# Altium PCB MotionBoard.PcbDoc (part 1 of 3)
Units mm, origin at the board's own origin, x right, y up, seen from the top; angles counter-clockwise.
Board outline 120 x 80 mm, 8 copper layers (Top Layer 1, GND, Inner 1, Inner 2, Inner 3, Inner 4, PWR, Bottom Layer 1), stack 1.028 mm thick; 748 components, 487 nets, 2634 pads, 32 vias.
Unrouted connection lines stored in the file: 1934.
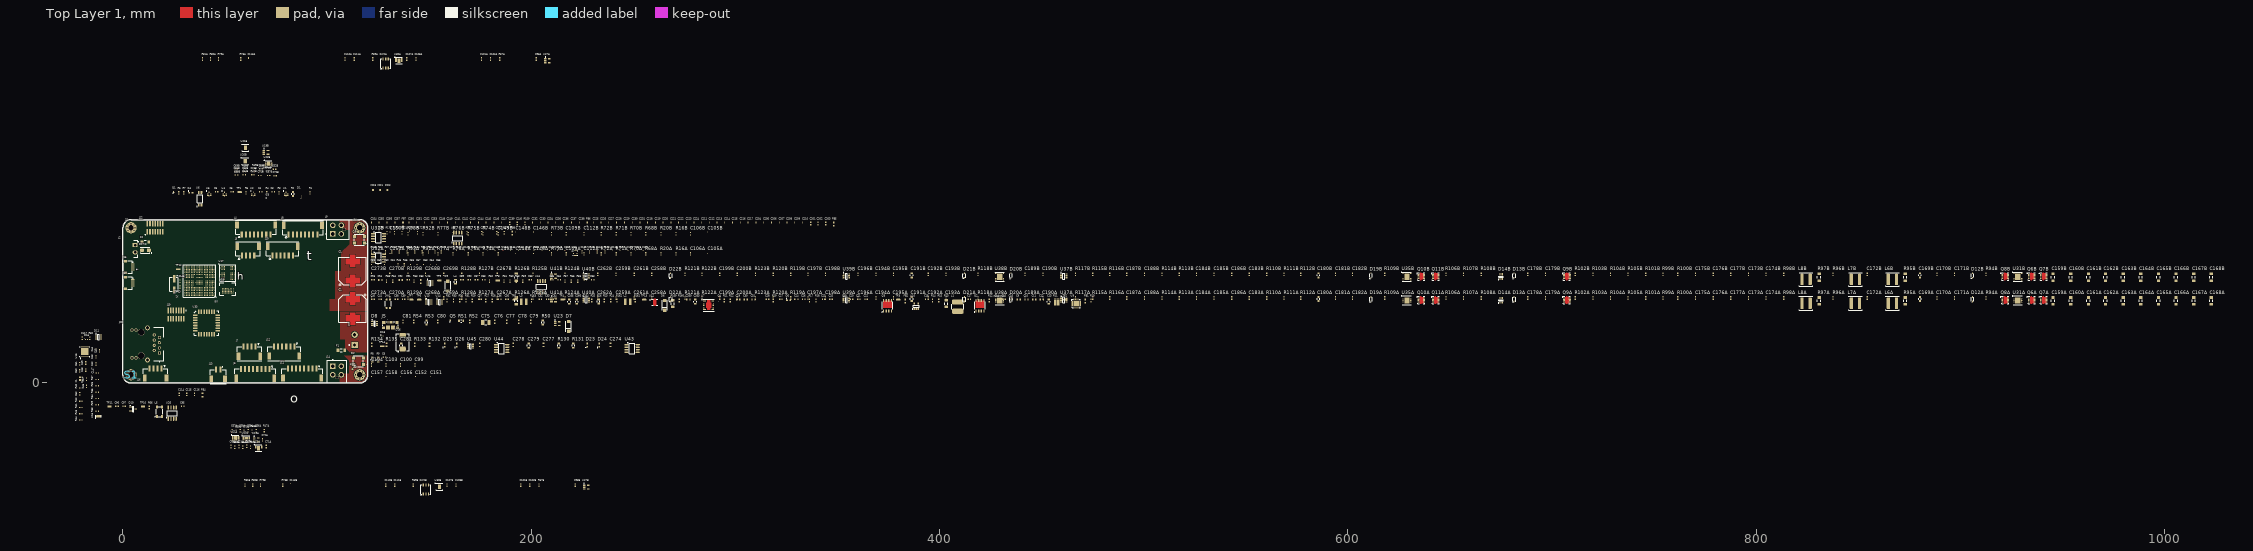
[diagram p0: Top Layer 1 view]
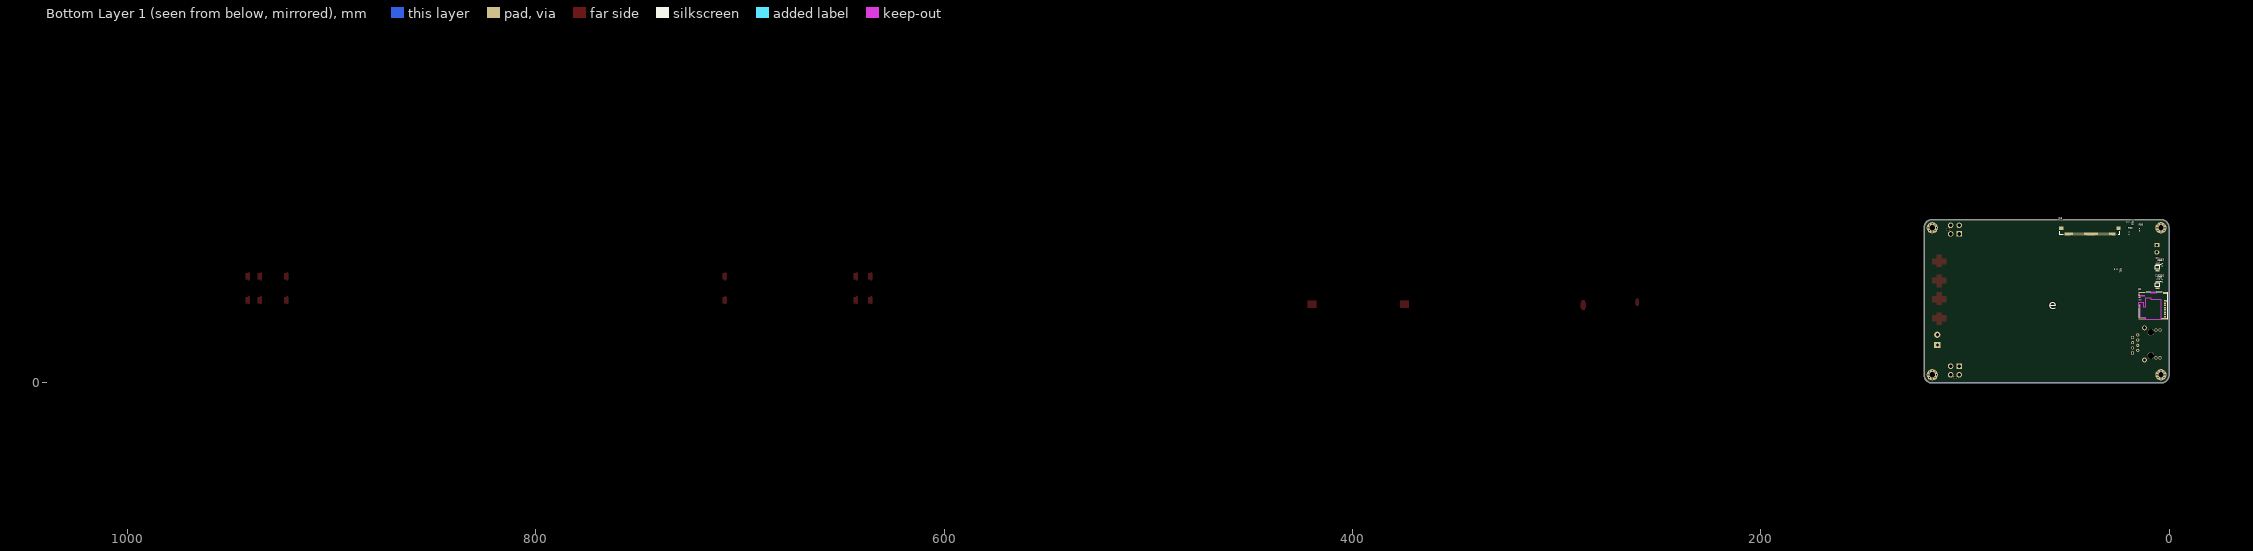
[diagram p1: Bottom Layer 1 view, seen from below]
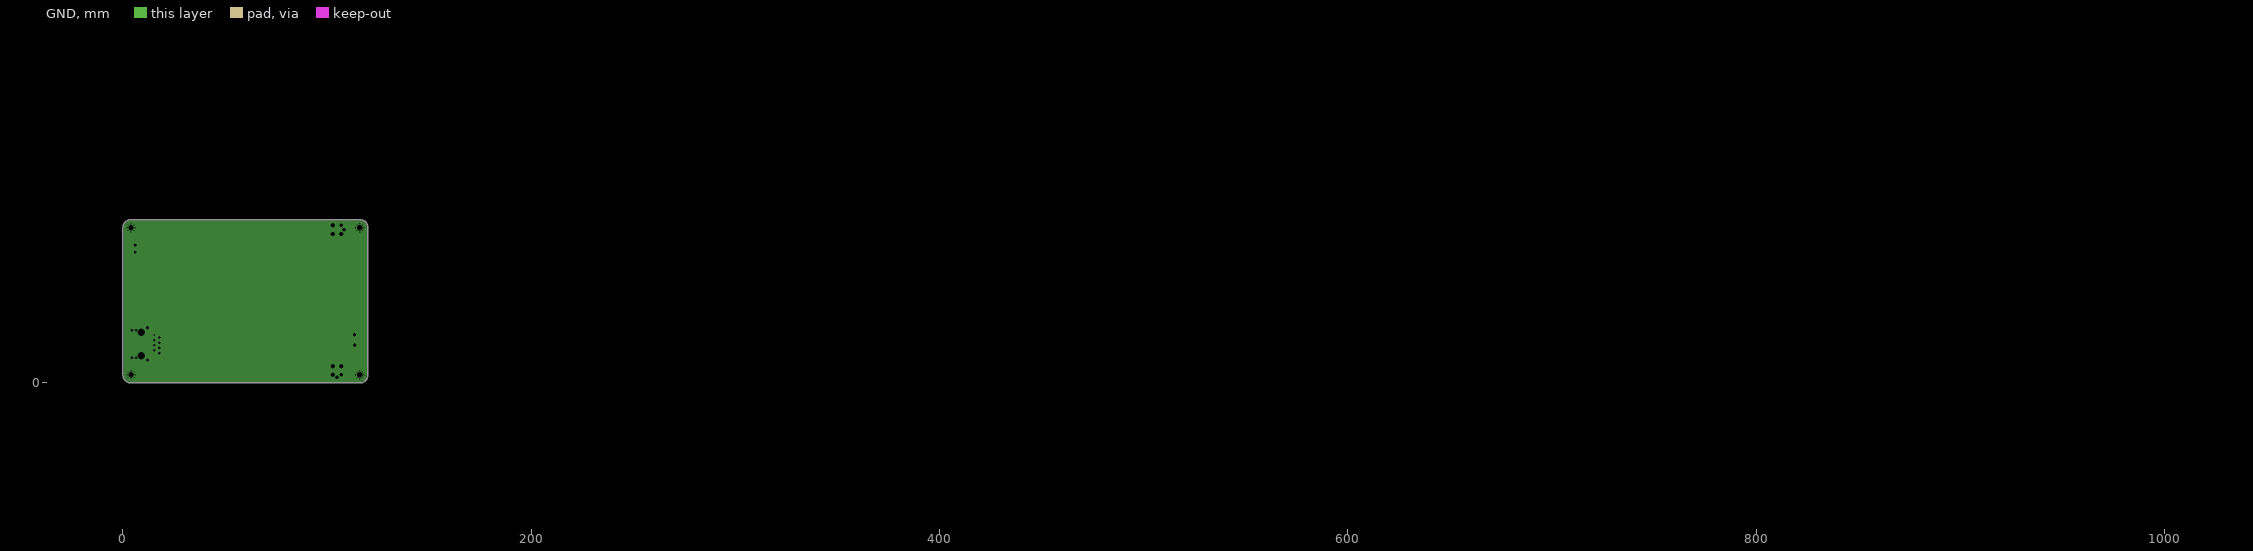
[diagram p2: GND, clearances drawn from the general rule]
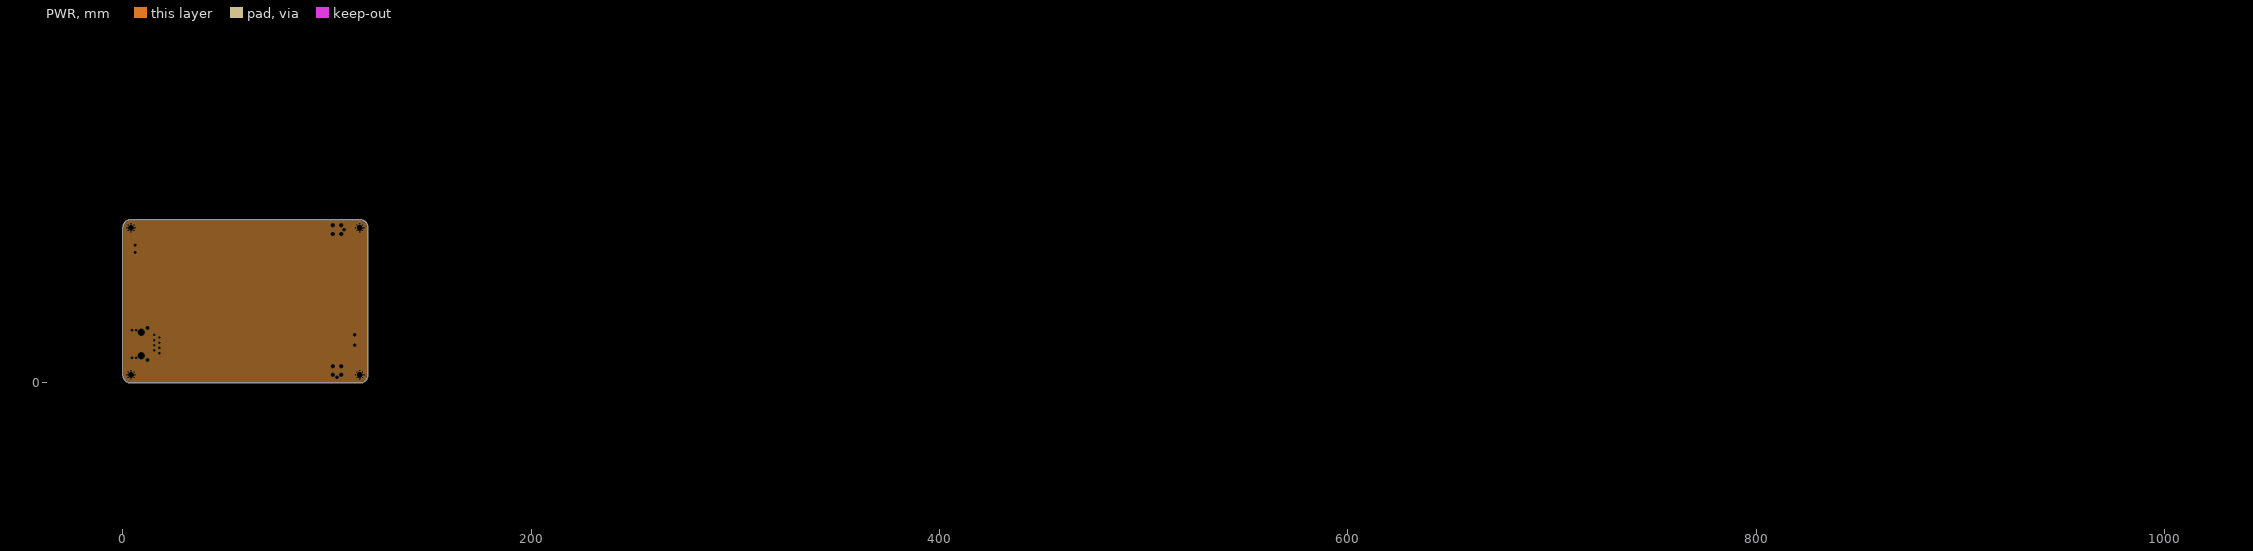
[diagram p3: PWR, clearances drawn from the general rule]

## Layer stack, top to bottom
Top Solder: solder mask 0.0102, Solder Resist, Dk 3.5
Top Layer 1: signal copper 0.035
Dielectric 2: prepreg 0.0711, PP-006, Dk 4.1
GND: plane copper 0.035, net GND
Dielectric 4: prepreg 0.0711, PP-006, Dk 4.1
Inner 1: signal copper 0.035
Dielectric 6: prepreg 0.0711, PP-006, Dk 4.1
Inner 2: signal copper 0.0356
Dielectric 1: dielectric 0.32, FR-4, Dk 4.8
Inner 3: signal copper 0.0356
Dielectric 7: prepreg 0.0711, PP-006, Dk 4.1
Inner 4: signal copper 0.035
Dielectric 5: prepreg 0.0711, PP-006, Dk 4.1
PWR: plane copper 0.035, net +3.3V
Dielectric 3: prepreg 0.0711, PP-006, Dk 4.1
Bottom Layer 1: signal copper 0.035
Bottom Solder: solder mask 0.0102, Solder Resist, Dk 3.5

## Board outline
0,4 0,76 cw(c4,76) 4,80 116,80 cw(c116,76) 120,76 120,4 cw(c116,4) 116,0 4,0 cw(c4,4)

## Design rules (kind name [scope] priority, off if disabled: settings)
BoardOutlineClearance [All] p1: gap=0.2 ignorepadtopadclearanceinfootprint=FALSE except(0: Arc-SplitContinuation Track-SplitContinuation SMDPad-OutlineEdge SMDPad-CavityEdge SMDPad-CutoutEdge SMDPad-SplitBarrior SMDPad-SplitContinuation THPad-OutlineEdge THPad-CavityEdge THPad-CutoutEdge THPad-SplitBarrior THPad-SplitContinuation Via-SplitContinuation Fill-SplitContinuation Poly-SplitContinuation Region-SplitContinuation Text-OutlineEdge Text-CavityEdge Text-CutoutEdge Text-SplitBarrior Text-SplitContinuation)
Clearance [All] p1: gap=0.125 ignorepadtopadclearanceinfootprint=FALSE
DiffPairsRouting "Schematic Differential Pairs Routing_2" [InNet('USBD_N')] p1: maxlimit=0.163 minlimit=0.15 mostfreqgap=0.163 toplayer_maxgap=0.15 toplayer_prefgap=0.15 toplayer_minwidth=0.23 toplayer_maxwidth=0.23 toplayer_prefwidth=0.23 midlayer1_mingap=0.163 midlayer1_minwidth=0.15 midlayer1_maxwidth=0.15 midlayer1_prefwidth=0.15 midlayer2_mingap=0.163 midlayer2_minwidth=0.15 midlayer2_maxwidth=0.15 midlayer2_prefwidth=0.15 midlayer3_minwidth=0.381 midlayer3_maxwidth=0.381 midlayer3_prefwidth=0.381 midlayer4_minwidth=0.381 midlayer4_maxwidth=0.381 midlayer4_prefwidth=0.381 bottomlayer_maxgap=0.15 bottomlayer_prefgap=0.15 bottomlayer_minwidth=0.23 bottomlayer_maxwidth=0.23 bottomlayer_prefwidth=0.23 impedanceprofiledriven=TRUE impedanceprofileid={8BB9BB9D-3C6D-4E4D-91F2-CF04DFBE2990} maxuncoupledlength=12.7
DiffPairsRouting "Schematic Differential Pairs Routing_1" [InNet('USBD_P')] p2: maxlimit=0.163 minlimit=0.15 mostfreqgap=0.163 toplayer_maxgap=0.15 toplayer_prefgap=0.15 toplayer_minwidth=0.23 toplayer_maxwidth=0.23 toplayer_prefwidth=0.23 midlayer1_mingap=0.163 midlayer1_minwidth=0.15 midlayer1_maxwidth=0.15 midlayer1_prefwidth=0.15 midlayer2_mingap=0.163 midlayer2_minwidth=0.15 midlayer2_maxwidth=0.15 midlayer2_prefwidth=0.15 midlayer3_minwidth=0.381 midlayer3_maxwidth=0.381 midlayer3_prefwidth=0.381 midlayer4_minwidth=0.381 midlayer4_maxwidth=0.381 midlayer4_prefwidth=0.381 bottomlayer_maxgap=0.15 bottomlayer_prefgap=0.15 bottomlayer_minwidth=0.23 bottomlayer_maxwidth=0.23 bottomlayer_prefwidth=0.23 impedanceprofiledriven=TRUE impedanceprofileid={8BB9BB9D-3C6D-4E4D-91F2-CF04DFBE2990} maxuncoupledlength=12.7
DiffPairsRouting "Schematic Differential Pairs Routing" [InNetClass('ETH')] p3: maxlimit=0.272 minlimit=0.15 mostfreqgap=0.272 toplayer_maxgap=0.15 toplayer_prefgap=0.15 toplayer_minwidth=0.184 toplayer_maxwidth=0.184 toplayer_prefwidth=0.184 midlayer1_mingap=0.272 midlayer1_minwidth=0.15 midlayer1_maxwidth=0.15 midlayer1_prefwidth=0.15 midlayer2_mingap=0.272 midlayer2_minwidth=0.15 midlayer2_maxwidth=0.15 midlayer2_prefwidth=0.15 midlayer3_minwidth=0.381 midlayer3_maxwidth=0.381 midlayer3_prefwidth=0.381 midlayer4_minwidth=0.381 midlayer4_maxwidth=0.381 midlayer4_prefwidth=0.381 bottomlayer_maxgap=0.15 bottomlayer_prefgap=0.15 bottomlayer_minwidth=0.184 bottomlayer_maxwidth=0.184 bottomlayer_prefwidth=0.184 impedanceprofiledriven=TRUE impedanceprofileid={F13DCD6B-F68B-4D98-B6EB-AD26B4817353} maxuncoupledlength=12.7
DiffPairsRouting [All] p4: maxlimit=0.254 minlimit=0.254 mostfreqgap=0.254 toplayer_minwidth=0.381 toplayer_maxwidth=0.381 toplayer_prefwidth=0.381 midlayer1_minwidth=0.381 midlayer1_maxwidth=0.381 midlayer1_prefwidth=0.381 midlayer2_minwidth=0.381 midlayer2_maxwidth=0.381 midlayer2_prefwidth=0.381 midlayer3_minwidth=0.381 midlayer3_maxwidth=0.381 midlayer3_prefwidth=0.381 midlayer4_minwidth=0.381 midlayer4_maxwidth=0.381 midlayer4_prefwidth=0.381 bottomlayer_minwidth=0.381 bottomlayer_maxwidth=0.381 bottomlayer_prefwidth=0.381 maxuncoupledlength=12.7
HoleSize [All] p1: absolutevalues=TRUE maxlimit=5 minlimit=0.1 maxpercent=80.000 minpercent=20.000
HoleToHoleClearance [All] p1: gap=0.15 allowstackedmicrovias=TRUE
MatchedLengths "Schematic Matched Net Lengths_2" [InNet('USBD_N')] p1: tolerance=0.254 checknetsindiffpair=FALSE checkdiffpairvsdiffpair=TRUE checkxsignals=TRUE checkothers=TRUE
MatchedLengths "Schematic Matched Net Lengths_1" [InNet('USBD_P')] p2: tolerance=0.254 checknetsindiffpair=FALSE checkdiffpairvsdiffpair=TRUE checkxsignals=TRUE checkothers=TRUE
MatchedLengths "Schematic Matched Net Lengths" [InNetClass('ETH')] p3: tolerance=0.076 checknetsindiffpair=FALSE checkdiffpairvsdiffpair=TRUE checkxsignals=TRUE checkothers=TRUE
MaxMinImpedance "Schematic Impedance Constraint_3" [InNet('USBD_N')] p1: minimum=85.00 maximum=95.00
MaxMinImpedance "Schematic Impedance Constraint_2" [InNet('USBD_P')] p2: minimum=85.00 maximum=95.00
MaxMinImpedance "Schematic Impedance Constraint_1" [InNet('CAN_P')] p3: minimum=50.00 maximum=70.00
MaxMinImpedance "Schematic Impedance Constraint" [InNet('CAN_N')] p4: minimum=50.00 maximum=70.00
MinimumSolderMaskSliver [All] p1: minsoldermaskwidth=0.075
PasteMaskExpansion [All] p1: expansion=-20 percent=-20.000000
PlaneClearance [All] p1: clearance=0.15
PlaneConnect [All] p1: planeconnectstyle=Relief reliefexpansion=0.1 reliefentries=4 reliefconductorwidth=0.12 reliefairgap=0.1
PolygonConnect [All] p1: connectstyle=Relief reliefconductorwidth=0.254 reliefentries=4 polygonreliefangle="90 Angle" airgapwidth=0.254
RoomDefinition MECHANICAL [InComponentClass('MECHANICAL')] p1: confinementstyle=ConfineIn formatcopy=TRUE lockcomponents=FALSE outline -20,-120 30.8,-120 30.8,-94.6 -20,-94.6
RoomDefinition INVERTER-B [InComponentClass('INVERTER-B')] p2: confinementstyle=ConfineIn formatcopy=TRUE lockcomponents=FALSE outline 121.1,46.8 1029.398,46.8 1029.398,57.1 121.1,57.1
RoomDefinition INVERTER-A [InComponentClass('INVERTER-A')] p3: confinementstyle=ConfineIn formatcopy=TRUE lockcomponents=FALSE outline 121.1,35.2 1029.398,35.2 1029.398,45.5 121.1,45.5
RoomDefinition "USB HOST/DEVICE" [InComponentClass('USB HOST/DEVICE')] p4: confinementstyle=ConfineIn formatcopy=TRUE lockcomponents=FALSE outline -19.078,26.2 -5.09,26.2 -5.09,42.3 -19.078,42.3
RoomDefinition U_jtag [InComponentClass('U_jtag')] p5: confinementstyle=ConfineIn formatcopy=TRUE lockcomponents=FALSE outline 7.661,72.073 7.661,79.991 23.959,79.991 23.959,56.679 28.679,56.679 28.679,54.721 28.629,54.721 28.629,48.421 28.629,45.621 27.679,45.621 27.679,43.271 22.521,43.271 22.521,71.921 18.891,71.921 18.891,72.073
RoomDefinition U_ENC-D [InComponentClass('U_ENC-D')] p6: confinementstyle=ConfineIn formatcopy=TRUE lockcomponents=FALSE outline 59.1,-56.916 229,-56.916 229,-47.416 59.1,-47.416
RoomDefinition U_ENC-C [InComponentClass('U_ENC-C')] p7: confinementstyle=ConfineIn formatcopy=TRUE lockcomponents=FALSE outline 38.3,151.884 210,151.884 210,161.384 38.3,161.384
RoomDefinition U_ENC-AA [InComponentClass('U_ENC-AA')] p8: confinementstyle=ConfineIn formatcopy=TRUE lockcomponents=FALSE outline 52.2,-33.916 71.3,-33.916 71.3,-21.4 52.2,-21.4
RoomDefinition U_dsp-supply [InComponentClass('U_dsp-supply')] p9: confinementstyle=ConfineIn formatcopy=TRUE lockcomponents=FALSE outline 121.1,76.2 349.499,76.2 349.499,80.7 121.1,80.7
RoomDefinition ADC/DAC [InComponentClass('ADC/DAC')] p10: confinementstyle=ConfineIn formatcopy=TRUE lockcomponents=FALSE outline 107.3,-12.516 241.1,-12.516 241.1,-5.716 107.3,-5.716
RoomDefinition SDRAM/SRAM [InComponentClass('SDRAM/SRAM')] p11: confinementstyle=ConfineIn formatcopy=TRUE lockcomponents=FALSE outline 121.1,105.7 256.599,105.7 256.599,112.5 121.1,112.5
RoomDefinition SDCARD [InComponentClass('SDCARD')] p12: confinementstyle=ConfineIn formatcopy=TRUE lockcomponents=FALSE outline -20.634,20.516 -9,20.516 -9,24.516 -20.634,24.516
RoomDefinition "Resolver Pseudo Sine Excitation" [InComponentClass('Resolver Pseudo Sine Excitation')] p13: confinementstyle=ConfineIn formatcopy=TRUE lockcomponents=FALSE outline 121.2,43 231.399,43 231.399,52.5 121.2,52.5
RoomDefinition "Power Supply Unit" [InComponentClass('Power Supply Unit')] p14: confinementstyle=ConfineIn formatcopy=TRUE lockcomponents=FALSE outline 121.2,33.1 475.699,33.1 475.699,43 121.2,43
RoomDefinition main [InComponentClass('main')] p15: confinementstyle=ConfineIn formatcopy=TRUE lockcomponents=FALSE outline 20.6,85.984 92.5,85.984 92.5,95.684 20.6,95.684
RoomDefinition "Ethernet PHY" [InComponentClass('Ethernet PHY')] p16: confinementstyle=ConfineIn formatcopy=TRUE lockcomponents=FALSE outline -9.7,-18.9 -9.7,19.1 -23.184,19.1 -23.184,-18.9
RoomDefinition DSP [InComponentClass('DSP')] p17: confinementstyle=ConfineIn formatcopy=TRUE lockcomponents=FALSE outline 121.1,9.6 129.4,9.6 129.4,14.6 121.1,14.6
RoomDefinition "CAN Transciever" [InComponentClass('CAN Transciever')] p18: confinementstyle=ConfineIn formatcopy=TRUE lockcomponents=FALSE outline -8.116,-18.9 30.584,-18.9 30.584,-9.4 -8.116,-9.4
RoomDefinition U_ENC-AB [InComponentClass('U_ENC-AB')] p19: confinementstyle=ConfineIn formatcopy=TRUE lockcomponents=FALSE outline 53.053,99.497 76.753,99.497 76.753,118.697 53.053,118.697
RoomDefinition "Interial Management Unit" [InComponentClass('Interial Management Unit')] p20: confinementstyle=ConfineIn formatcopy=TRUE lockcomponents=FALSE outline 26.9,-7.5 40.4,-7.5 40.4,-3 26.9,-3
RoutingVias [All] p1: holewidth=0.15 width=0.4 viastyle="Through Hole" minholewidth=0.15 minwidth=0.4 maxholewidth=0.15 maxwidth=0.4 useviatemplates=TRUE viatemplateguid#1={A6E8FDC9-4355-4B02-9B96-8857249AA7D8} viatemplateguid#2={FE9C45AC-3A2F-4E6E-8095-3EA533C61830} viatemplatename#1=6C viatemplatename#2=8E
SilkToSilkClearance [All] p1: silktosilkclearance=0.15
SilkToSolderMaskClearance [IsPad] p1: minsilkscreentomaskgap=0.15 clearancetoexposedcopper=TRUE
SolderMaskExpansion [All] p1: expansion=0.03 istentingtop=FALSE
Width [All] p1: maxlimit=0.15 minlimit=0.125 preferedwidth=0.125
21 further rules are at their usual default settings.

## Classes and differential pairs
channel class inverter: INVERTER-A INVERTER-B
net class I2C_ID: I2C_ID.SCL I2C_ID.SDA
net class I2C1: I2C1.SCL I2C1.SDA
net class HC_10A: UA UB VA VB WA WB
net class CM4_SPI0: CM4_SPI0.CE0 CM4_SPI0.CE1 CM4_SPI0.CLK CM4_SPI0.MISO CM4_SPI0.MOSI CM4_SPI0.SCLK CM4_SPI0.SIMO CM4_SPI0.SOMI
net class CM4-UART: CM4-UART.RX CM4-UART.RXD CM4-UART.TX CM4-UART.TXD
net class ADCMUX[3..1]: ADCMUX1 ADCMUX2 ADCMUX3
component class U_cm4: B1 BAT1 C274 C277 C278 C279 C280 C281 C282 CM1 CM2 D23 D24 D25 D26 J23 R130 R131 R132 R133 R134 R135 SB1 SB2 SB3 TP15 TP16 TP17 TP18 TP19 TP20 U42 U43 U44 U45 X3
net class I2CA: I2CA.SCL I2CA.SDA
component class U_dsp-supply: C201 C202 C203 C204 C205 C206 C207 C208 C209 C210 C211 C212 C213 C214 C215 C216 C217 C218 C219 C220 C221 C222 C223 C224 C225 C226 C227 C228 C229 C230 C231 C232 C233 C234 C235 C236 C237 C238 C239 C240 C241 C242 C243 C244 C245 C246 C247 C248 C249 C250 C251 C252 C253 C254 C255 C256 C257 FB5 FB6 FB7 R159 U8
component class INVERTER-B: C159B C160B C161B C162B C163B C164B C165B C166B C167B C168B C169B C170B C171B C172B C173B C174B C175B C176B C177B C178B C179B C258B C259B C269B C270B C273B D19B D20B D21B D22B L7B L8B Q6B Q7B Q8B Q9B R94B R95B R96B R97B R98B R99B R100B R101B R102B R103B R104B R105B R106B R107B R108B R109B R110B R111B R112B R113B R114B R115B R116B R117B R118B R119B R120B R121B R122B R123B R124B R125B R126B R127B R128B R129B U37B U38B U39B U40B U41B
component class INVERTER-A: C159A C160A C161A C162A C163A C164A C165A C166A C167A C168A C169A C170A C171A C172A C173A C174A C175A C176A C177A C178A C179A C258A C259A C269A C270A C273A D19A D20A D21A D22A L7A L8A Q6A Q7A Q8A Q9A R94A R95A R96A R97A R98A R99A R100A R101A R102A R103A R104A R105A R106A R107A R108A R109A R110A R111A R112A R113A R114A R115A R116A R117A R118A R119A R120A R121A R122A R123A R124A R125A R126A R127A R128A R129A U37A U38A U39A U40A U41A
net class EMIF: A0 A1 A2 A3 A4 A5 A6 A7 A8 A9 A10 A11 A12 A13 A14 A15 A16 A17 A18 A19 BA0 BA1 C\A\S\ C\S\0\ C\S\2\ CLK D0 D1 D2 D3 D4 D5 D6 D7 D8 D9 D10 D11 D12 D13 D14 D15 EMIF.RNW EMIF.WAIT O\E\ R\A\S\ SDKE W\E\
component class MECHANICAL: FID1 FID2 FID3 FID4 S1 S2 S3 S4 THP1
channel class digital-encoder: U_ENC-AA U_ENC-AB
channel class analog-encoder: U_ENC-C U_ENC-D
component class U_jtag: C144 C145 J22 R88 R89 R90 R91 TP12 X2
component class U_ENC-D: C98B C101B C102B C107B C108B C110B C111B C113B R16B R20B R67B R69B R78B R79B R80B R81B SW2B U27B U30B
component class U_ENC-C: C98A C101A C102A C107A C108A C110A C111A C113A R16A R20A R67A R69A R78A R79A R80A R81A SW2A U27A U30A
component class U_ENC-AB: C62B C63B C64B C65B C66B C67B C68B C69B C70B C71B C72B C73B C74B R47B R48B R49B U19B U20B U21B U22B
component class U_ENC-AA: C62A C63A C64A C65A C66A C67A C68A C69A C70A C71A C72A C73A C74A R47A R48A R49A U19A U20A U21A U22A
component class ADC/DAC: C118 C119 C120 C121 C122 C123 C124 C125 C126 C127 C128 C129 C130 C131 C132 C133 C134 C135 C136 C137 C138 C139 C140 C141 C142 C143 C151 C152 C156 C157 C158 C271 C272 C275 C276 FB8 R83 R84 R85 R86 R87 R164 R165 R166 R167 R168 R170 R171 R172 R173 R174 R175 U34 U47
component class SDCARD: C117 D11 D15 D18 J21 R82
differential pair class ETHERNET: ETH_D0 ETH_D1
net class ETH: ETH_D0_N ETH_D0_P ETH_D1_N ETH_D1_P
net class D[15..0]: D0 D1 D2 D3 D4 D5 D6 D7 D8 D9 D10 D11 D12 D13 D14 D15
net class A[19..0]: A0 A1 A2 A3 A4 A5 A6 A7 A8 A9 A10 A11 A12 A13 A14 A15 A16
component class "USB HOST/DEVICE": D12
component class SDRAM/SRAM: C53 C54 C55 C56 C57 C58 C59 C60 C61 R45 R46 U17 U18
component class "Resolver Pseudo Sine Excitation": C82 C83 C84 C85 C86 C87 C88 C89 C90 C91 C92 C93 C94 D9 D13 FB3 L4 R55 R56 R57 R58 R59 R60 R61 R62 R63 R64 R65 TP8 TP9 U24 U25
component class main: C1 C2 C3 C4 C5 C6 C7 C99 C100 C103 C104 C153 C154 C155 D1 D2 D3 D4 D16 D17 F1 F2 J1 J2 J3 J4 J6 J7 J8 J9 J10 J11 J12 J13 J14 J15 J16 J17 J18 Q1 R1 R2 R3 R4 R5 R6 R7 TP1 U1 U2 U3 U4 U5 U6 U11 U36
component class "Interial Management Unit": C114 C115 C116 FB4 U33
component class "Ethernet PHY": C42 C43 C44 C45 C46 C47 C48 C49 C50 C51 C52 C147 J20 R34 R35 R36 R37 R38 R39 R40 R41 R42 R43 R44 U15 U16 X1
component class DSP: C8 J19 R8 R9
component class "Power Supply Unit": C9 C10 C11 C12 C13 C14 C15 C16 C17 C18 C19 C20 C21 C22 C23 C24 C25 C26 C27 C28 C29 C30 C31 C32 C33 C34 C35 C36 C37 C38 C39 C40 C41 C260 C263 C264 C265 C266 D5 D6 FB1 FB2 L1 L2 L3 Q2 Q3 Q4 R10 R11 R12 R13 R14 R15 R17 R18 R19 R21 R22 R23 R24 R25 R26 R27 R28 R29 R30 R31 R32 R33 R160 R161 R162 R163 R169 SW1 TP2 TP3 TP4 TP5 TP6 TP7 TP13 TP14 U7 U9 U10 U12 U13 U14
component class "CAN Transciever": C95 C96 C97 D10 L5 R66 TP10 TP11 U26
differential pair USBD: +USBD_P -USBD_N
differential pair USB: +USB_P -USB_N
differential pair ETH_D1: +ETH_D1_P -ETH_D1_N
differential pair ETH_D0: +ETH_D0_P -ETH_D0_N
differential pair CAN: +CAN_P -CAN_N

## Components (designator, comment, footprint, x,y, rotation, side; value= is the part's Value field where it differs from the comment)
C1 "150u" CAP_EEEFK1K151AV 112.522,54.864 r90 top locked
C2 "150u" CAP_EEEFK1K151AV 112.522,36.4 r270 top locked
C3 "10n" SM/C0402 73.6,93.684 r0 top
C4 "10n" SM/C0402 67.5,93.684 r0 top
C5 "10n" SM/C0402 53.5,93.684 r0 top
C6 "10n" SM/C0402 45.9,93.684 r0 top
C7 "10n" SM/C0402 5.4,59.3 r180 bottom
C8 "100n" SM/C0402 128.1,12.6 r0 top
C9 "10u" SM/C0603 438.799,40.9 r0 top
C10 "10u" SM/C0603 442.599,40.9 r0 top
C11 "10u" SM/C0603 446.399,40.9 r0 top
C12 "10u" SM/C0603 450.099,40.9 r0 top
C13 "1u" SM/C0805 453.399,39.8 r90 top
C14 "2.2u" SM/C0402 428.099,41 r0 top
C15 "2.2u" SM/C0402 431.599,41 r0 top
C16 "100n" SM/C0402 435.099,41 r0 top
C17 "470n" SM/C0402 414.599,41 r0 top
C18 "100n" SM/C0402 393.699,41 r0 top
C19 "100n" SM/C0402 353.399,41 r0 top
C20 "100n" SM/C0402 356.899,41 r0 top
C21 "100n" SM/C0402 360.399,41 r0 top
C22 "100n" SM/C0402 363.999,41 r0 top
C23 "2.2u" SM/C0402 343.199,41 r0 top
C24 "10u" SM/C0603 329.899,41 r0 top
C25 "100n" SM/C0402 346.799,41 r0 top
C26 "180p" SM/C0402 333.499,41 r0 top
C27 "2.2n" SM/C0402 322.299,41 r0 top
C28 "100n" SM/C0402 315.699,41 r0 top
C29 "10u" SM/C0603 301.399,40.9 r0 top
C30 "10u" SM/C0603 305.099,40.9 r0 top
C31 "10u" SM/C0603 308.899,40.9 r0 top
C32 "22u" SM/C0402 204.5,41 r0 top
C33 "100n" SM/C0402 208,41 r0 top
C34 "22u" SM/C0402 211.5,41 r0 top
C35 "100n" SM/C0402 188.1,41 r0 top
C36 "22u" SM/C0402 184.6,41 r0 top
C37 "22p" SM/C0402 174.9,41 r0 top
C38 "100n" SM/C0402 134,41 r0 top
C39 "100n" SM/C0402 137.5,41 r0 top
C40 "10n" SM/C0402 122.5,41 r0 top
C41 "10n" SM/C0402 126,41 r0 top
C42 "10u" SM/C0402 -13.184,9.3 r90 top
C43 "100n" SM/C0402 -13.184,12.8 r90 top
C44 "100n" SM/C0402 -13.184,16.3 r90 top
C45 "10n" SM/C0402 -11.5,15.716 r90 top
C46 "10u" SM/C0402 -17.784,-1.7 r90 top
C47 "100n" SM/C0402 -17.784,1.8 r90 top
C48 "100n" SM/C0402 -18.214,6.284 r90 top
C49 "10n" SM/C0402 -18.214,9.784 r90 top
C50 "22p" SM/C0402 -21.184,5.9 r90 top
C51 "22p" SM/C0402 -21.184,9.4 r90 top
C52 "100n" SM/C0402 -21.184,-5.3 r90 top
C53 "100n" SM/C0201 147.3,58.3 r90 top
C54 "100n" SM/C0201 150.5,58.3 r90 top
C55 "100n" SM/C0201 153.7,58.3 r90 top
C56 "2.2u" SM/C0201 140.8,58.3 r90 top
C57 "2.2u" SM/C0201 144,58.3 r90 top
C58 "2.2u" SM/C0201 121.7,58.3 r90 top
C59 "100n" SM/C0201 124.9,58.3 r90 top
C60 "100n" SM/C0201 128.2,58.3 r90 top
C61 "100n" SM/C0201 131.8,58.6 r0 top
C62A "100n" SM/C0402 62.555,-31.516 r90 top (schematic designator C62)
C62B "100n" SM/C0402 74.255,104.7 r0 top (schematic designator C62)
C63A "100n" SM/C0402 54.755,-31.516 r90 top (schematic designator C63)
C63B "100n" SM/C0402 59.555,103.5 r0 top (schematic designator C63)
C64A "100n" SM/C0402 58.655,-31.516 r90 top (schematic designator C64)
C64B "100n" SM/C0402 59.455,102 r0 top (schematic designator C64)
C65A "330p" SM/C0402 61.4,-23.416 r90 top (schematic designator C65)
C65B "330p" SM/C0402 55.355,103.5 r0 top (schematic designator C65)
C66A "330p" SM/C0402 65.3,-23.416 r90 top (schematic designator C66)
C66B "330p" SM/C0402 67.64,104.9 r0 top (schematic designator C66)
C67A "100n" SM/C0402 53.6,-23.416 r90 top (schematic designator C67)
C67B "100n" SM/C0402 71.34,101.6 r0 top (schematic designator C67)
C68A "100n" SM/C0402 57.5,-23.416 r90 top (schematic designator C68)